# Altium PCB PCBmain.PcbDoc (continued)
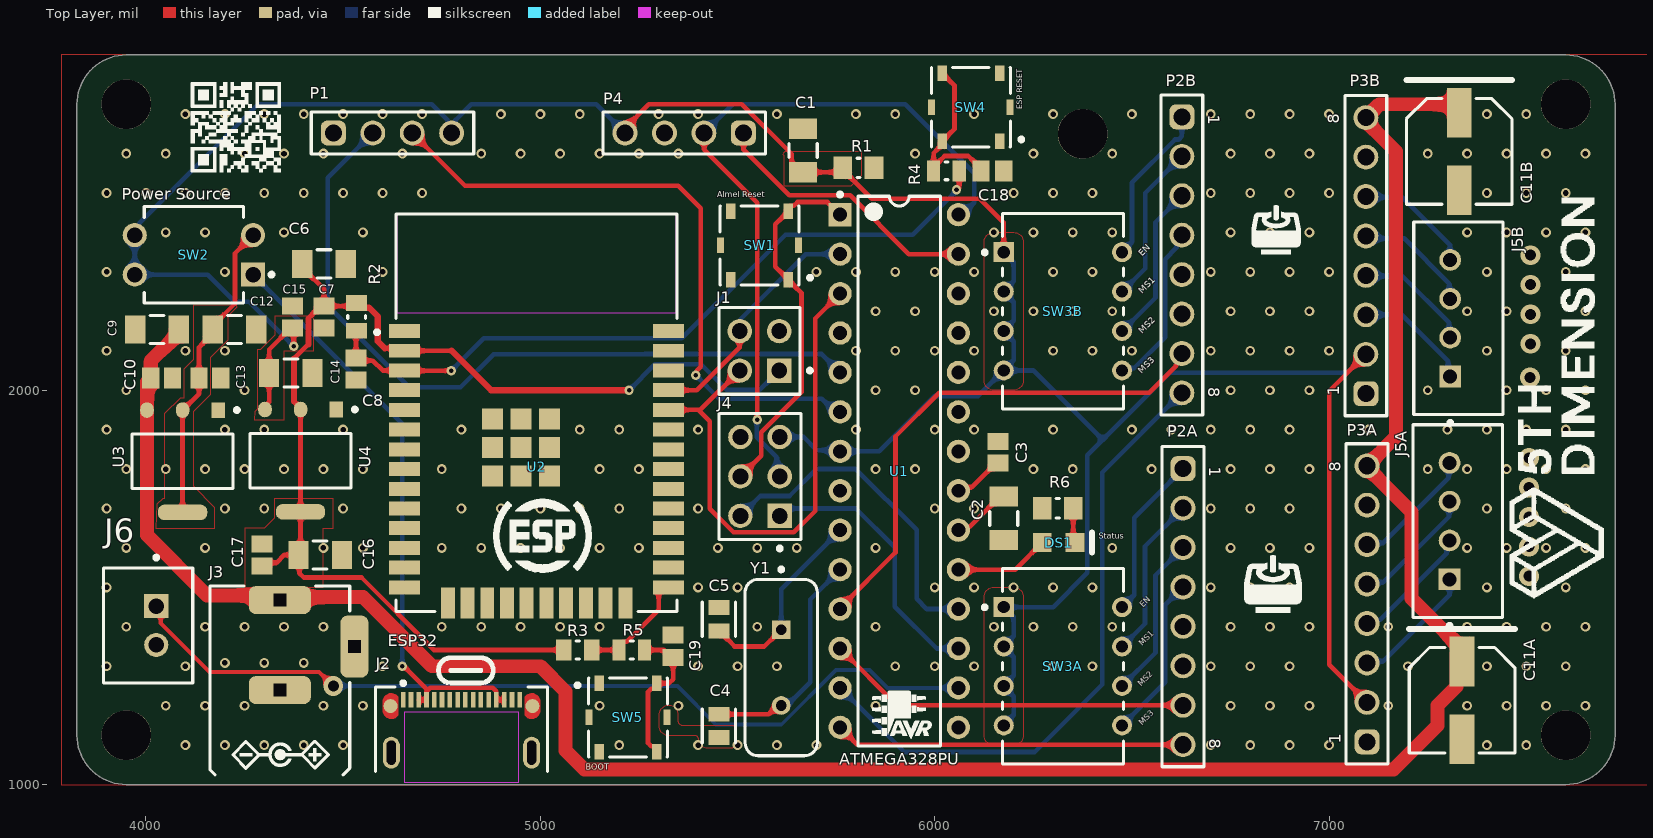
[diagram p0: Top Layer view]
## Part data (continued)
J4: library part CMP-2000-06636-2, "CONN HEADER VERT 6POS 2.54MM", Current Rating=3A, Manufacturer=Harwin, Temperature="-40°C to +105°C", Temperature Range High=+105°C, Temperature Range Low=-40°C, Automotive=No, Category=Conn, ComponentLink2Description=Datasheet, ComponentLink2URL=https://cdn.harwin.com/pdfs/M20-998.pdf, Conn Gender=Male, Conn Orientation=Vertical, Contact Material=Tin,Nickel, Device Class L1=Connectors, Device Class L2="Headers and Wire Housings", Device Class L3=unset, Digikey Description="CONN HEADER VERT 6POS 2.54MM", Height=8.99mm, Lead Free=Yes, Manufacturer Part Number=M20-9980346, Mouser Description="2.54mm (0.1\") Pitch DIL Vertical PC Tail Pin Header, 6.1mm mating pin height, tin, 3+3 contacts", Number Of Contacts=6, Number of Rows=2, Octopart=https://octopart.com/m20-9980346-harwin-5436545, Package=M20-9980346, Pitch=2.54mm, RoHS=TRUE
J5A J5B: library part CMP-17439-000250-1, "CONN HEADER VERT 4POS 2.5MM", Color=Natural, Contact Resistance=20mR, Current Rating=3A, Flammability Rating="UL94 V-0", Housing Color=White, Insulation Resistance=1GR, Max Operating Temperature=85°C, Max Voltage Rating (AC)=250V, Min Operating Temperature=-25°C, Package Quantity=500, Connector Type=Header, Contact Finish - Mating=TIN, Contact Material=Brass, Contact Plating=Tin, Contact Shape=Square, Contact Type="Male Pin", Depth=5.75mm, Fastening Type=Detent, Gender=Male, Housing Material=Polyamide, Insulation Color=Natural, Insulation Material=Nylon, Lead Free="Lead Free", Lead Pitch=2.5mm, Length=12.4mm, Mated Stacking Heights=9.8mm, Material=Polyamide, Max Current Rating=3A, Max Voltage Rating (DC)=250V, Mount="Through Hole", Number Of Contacts=4, Number of Positions=4, Number of Rows=1, Orientation=Straight, Packaging=Bulk, Pitch=2.5mm, REACH SVHC="No SVHC", Series=XH, Termination=Solder, Voltage Rating=250V, Voltage Rating (AC)=250V, Wire/Cable Gauge=22AWG
J6: library part CMP-2000-05888-3, "CONN HEADER VERT 2POS 2.5MM", Color=Natural, Contact Resistance=20mR, Current Rating=3A, Housing Color=White, Insulation Resistance=1GR, Max Operating Temperature=85°C, Max Voltage Rating (AC)=250V, Min Operating Temperature=-25°C, Connector Type="Male Pin", Contact Material=Brass, Contact Plating=Tin, Contact Type="Male Pin", Depth=5.75mm, Fastening Type=Detent, Housing Material=Polyamide, Lead Free="Lead Free", Lead Pitch=2.5mm, Length=7.4mm, Max Current Rating=3A, Max Voltage Rating (DC)=250V, Mount="Through Hole", Number Of Contacts=2, Number of Positions=2, Number of Rows=1, Orientation=Straight, Packaging=Bulk, Pitch=2.5mm, REACH SVHC="No SVHC", Series=XH, Termination=Solder, Voltage Rating=250V, Voltage Rating (AC)=250V, Wire/Cable Gauge=22AWG
P1 P4: library part CMP-1502-01064-2, Color=Black, Contact Resistance=20mΩ, Current Rating=3A, Max Operating Temperature=105°C, Min Operating Temperature=-40°C, Operating Supply Voltage=250V, Connector Type="Male Pin", Contact Material=Copper, Contact Mating Length=5.9944mm, Contact Plating=Gold, Gender=Male, Height=8.89mm, Lead Free="Lead Free", Lead Pitch=2.54mm, Mount="Through Hole", NexarPartId=32855522, Number Of Contacts=4, Number of Pins=4, Number of Positions=4, Number of Rows=1, Orientation=Vertical, Packaging=Bulk, Pitch=2.54mm, REACH SVHC=Unknown, RoHS=Compliant, Termination=Solder, Voltage Rating=250V
P2A P2B P3A P3B: library part CMP-1502-01076-2, Color=Black, Contact Resistance=20mΩ, Current Rating=3A, Max Operating Temperature=105°C, Min Operating Temperature=-40°C, Operating Supply Voltage=250V, Connector Type="Male Pin", Contact Material=Copper, Contact Mating Length=5.9944mm, Contact Plating=Gold, Gender=Male, Height=8.54mm, Lead Pitch=2.54mm, Mount="Through Hole", NexarPartId=32855533, Number Of Contacts=8, Number of Pins=8, Number of Positions=8, Number of Rows=1, Orientation=Vertical, Packaging=Bulk, Pitch=2.54mm, REACH SVHC=Unknown, RoHS=Compliant, Termination=Solder, Voltage Rating=250V
R1 R6: library part CMP-2100-03671-1, "Chip Resistor, 1 KOhm, +/- 1%, 125 mW, -55 to 155 degC, 0805 (2012 Metric), RoHS, Tape and Reel", Case Code (Imperial)=0805, Case Code (Metric)=2012, Manufacturer=Yageo, Max Operating Temperature=155degC, Max Power Dissipation=125mW, Min Operating Temperature=-55degC, Package Description="2-Pin Surface Mounted Device, Body 2 x 1.25 mm", Package Quantity=1, Resistance=1KOhm, Temperature Coefficient=100ppm/degreesC, Tolerance=1%, Voltage Rating=150V, Case/Package=0805, Composition=ThickFilm, Datasheet URL=http://www.yageo.com/NewPortal/yageodocoutput?fileName=/pdf/R-Chip/PYu-RC_Group_51_RoHS_L_5.pdf, Datasheet Version="Rev. 5, 10/2016", Depth=1.25mm, Height=0.024inch, Lead Free=LeadFree, Length=0.079inch, Manufacturer URL=http://www.yageo.com/, Military Standard=Not, Number of Pins=2, Number of Terminations=2, Package Reference=0805, Packaging=TapeandReel, Power Rating=125mW, REACH SVHC=Unknown, RoHSCompliant=true, Termination=SMD/SMT, Voltage Rating (DC)=150V, Width=0.049inch
R2 R3: library part CMP-1659-00013-4, "Chip Resistor, 10 KOhm, +/- 1%, 0.125 W, -55 to 155 degC, 0805 (2012 Metric), RoHS, Tape and Reel", Manufacturer=Yageo, Max Operating Temperature="155 degC", Min Operating Temperature="-55 degC", Package Quantity=5000, Voltage Rating="150 V", ComponentLink1Description="Manufacturer URL", ComponentLink1URL=http://www.yageo.com/, ComponentLink2Description=Datasheet, ComponentLink2URL=http://www.yageo.com/documents/recent/PYu-RC_Group_51_RoHS_L_04.pdf, DatasheetVersion="Rev. 4, 02/2016", Height="0.5 mm", Length="2 mm", Mount="Surface Mount", Mounting Technology="Surface Mount", PackageDescription="2-Pin Surface Mounted Device, Body 2 x 1.25 mm", PackageReference=0805, Packaging="Tape and Reel", Parameter 1=10k, Pins=2, REACH SVHC="No SVHC", RoHSCompliant=true
R4 R5: library part CMP-2001-03932-1, Manufacturer="Vishay Dale", Parameter 1="470 ohm", Part Number=CRCW0805470RFKEA
SW1 SW4 SW5: library part CMP-05618-000006-1, "SWITCH TACTILE SPST-NO 0.02A 15V", Contact Current Rating=20mA, Contact Resistance=50mΩ, Manufacturer="Panasonic Electronic Components", Operating Force=2.6N, Package=0, Temperature="-20°C to +70°C", Temperature Range High=+70°C, Temperature Range Low=-20°C, Voltage Rating Dc=15V, Automotive=No, Category=Switch, ComponentLink2Description=Datasheet, ComponentLink2URL=https://datasheet.ciiva.com/8164/atv0000ce2-8164994.pdf, Device Class L1=Electromechanical, Device Class L2=Switches, Device Class L3="Tactile Switches", Digikey Description="SWITCH TACTILE SPST-NO 0.02A 15V", Electromechanical Life=200000Cycles, Height=1.7mm, Lead Free=Yes, Manufacturer Part Number=EVQ-PLMA15, Mount="Surface Mount", Mouser Description="Tactile Switches FLAT ACT 2.6NF 4.6x3.4x1.5mm", Octopart=https://octopart.com/evq-plma15-panasonic-39850235, RoHS=TRUE, Throw Configuration=SPST-NO
SW2: library part CMP-08827-000029-1, "SWITCH SLIDE DIP SPST 25MA 24V", Case/Package=DIP, Contact Current Rating=25mA, Contact Resistance=200mR, Max Operating Temperature=70°C, Max Voltage Rating (DC)=24V, Min Operating Temperature=-20°C, Package Quantity=76, Actuator Length=0.6mm, Actuator Type="Slide (Standard)", Contact Material=Gold, Contact Plating=Gold, Current Rating=25mA, Electrical Life=1000Cycles, Height=4.2mm, Lead Free="Lead Free", Length=0.237inch, Max Current Rating=25mA, Mechanical Life=1000Cycles, Mount="Through Hole", Number of Circuits=2, Number of Positions=2, Orientation=Straight, Packaging=Rail/Tube, Pitch=0.1inch, Radiation Hardening=No, RoHS Compliant=Yes, Series=A6T, Terminal Pitch=2.54mm, Termination="PC Pins", Throw Configuration=SPST, Voltage Rating (DC)=24V, Washable=No, Weight=0.26g, Width=6.2mm
SW3A SW3B: library part CMP-03400-000022-1, "SWITCH SLIDE DIP SPST 100MA 24V", Contact Current Rating=1A, Contact Resistance=50mR, Flammability Rating="UL94 V-0", Housing Color=Black, Max Current Rating=100mA, Max Operating Temperature=85°C, Max Voltage Rating (DC)=24V, Min Operating Temperature=-30°C, Package Quantity=35, Voltage Rating (DC)=5V, Actuator Length=0.99mm, Actuator Material=Polybutylene, Actuator Type=Standard, Contact Material="Copper Alloy", Contact Plating=Gold, Contact Post Length=4mm, Depth=7.49mm, Electrical Life=1000Cycles, ELV=Compliant, Height=0.138inch, Housing Material=Polyphenylene, Lead Free="Lead Free", Length=0.476inch, Mount="Through Hole", Number of Circuits=4, Number of Positions=4, Orientation=Straight, Packaging=Rail/Tube, Pitch=0.1inch, Radiation Hardening=No, RoHS Compliant=Yes, Sealable="No (Without)", Series=ADE, Terminal Pitch=2.54mm, Termination="PC Pins", Throw Configuration=SPST, Type=Switch, Washable=Yes
U1: library part CMP-0095-00013-2, "8-bit AVR Microcontroller, 32KB Flash, 1KB EEPROM, 2KB SRAM, 28-pin PDIP, Industrial Grade (-40°C to 85°C)", ComponentLink1Description="Manufacturer URL", ComponentLink1URL=http://www.atmel.com/, ComponentLink2Description="ATmega48A/48PA/88A/88PA/168A/168PA/328/328P Datasheet", ComponentLink2URL=http://www.atmel.com/dyn/resources/prod_documents/8271.pdf, ComponentLink3Description="ATmega48A/48PA/88A/88PA/168A/168PA/328/328P Summary", ComponentLink3URL=http://www.atmel.com/dyn/resources/prod_documents/8271S.pdf, DatasheetVersion="revD, May-2011", PackageDescription="28-lead (0.300\"/7.62mm Wide) Plastic Dual Inline Package (PDIP)", PackageReference=28P3, PackageVersion="revB, Sep-2001", RevisionNote="DatasheetVersion updated. URLs added."
U2: library part CMP-194065-000003-1, "WIFI MODULE 32MBITS SPI FLASH", Manufacturer="Espressif Systems", Max Frequency=2484MHz, Max Supply Voltage=3.6V, Min Supply Voltage=3V, Nominal Supply Current=500mA, Temperature="-40°C to +85°C", Temperature Range High=+85°C, Temperature Range Low=-40°C, Automotive=No, Bandwidth=72MHz, Category=UNK, ComponentLink2Description=Datasheet, ComponentLink2URL=https://www.espressif.com/sites/default/files/documentation/esp32-wroom-32d_esp32-wroom-32u_datasheet_en.pdf, Data Rate=150Mbits/s, Device Class L1="Integrated Circuits (ICs)", Device Class L2="RF Semiconductors and Devices", Device Class L3=Transceivers, Digikey Description="WIFI MODULE 32MBITS SPI FLASH", Height=3.2mm, Interface=I2C,SPI,UART,Ethernet,I2S,Other, Lead Free=Yes, Manufacturer Part Number=ESP32-WROOM-32D, Mouser Description="Wi-Fi/BT BLE Module ESP32-D0WD, SPI Flash, UART, P", Number Of Adc Channels=16, Number Of Gpio=32, Octopart=https://octopart.com/esp32-wroom-32d-espressif+systems-91040050, Package=ESP32-WROOM-32D, RoHS=TRUE, Sensitivity=-98dBm
U3: library part CMP-209535-000001-1, "LDO Voltage Regulators 1A, 3.3V", Dropout Voltage=1.1V, Manufacturer="Advanced Monolithic Systems", Manufacturer Part Number=AMS1117-3.3, Max Junction Temp=+125°C, Max Power Dissipation=1.2W, Max Supply Voltage=15V, Nominal Supply Current=5mA, Output Current=1A, Output Voltage=3.3V, Package=AMS1117, Temperature="-40°C to +125°C", Temperature Range Low=-40°C, Automotive=No, Category=IC, ComponentLink2Description=Datasheet, ComponentLink2URL=http://www.advanced-monolithic.com/pdf/ds1117.pdf, Device Class L1="Integrated Circuits (ICs)", Device Class L2="Power Management ICs", Device Class L3="Voltage Regulators - Linear", Height=1.8mm, Ipc Land Pattern Name=SOT229P700X180-4, Lead Free=Yes, Number Of Outputs=1, Octopart=https://octopart.com/ams1117-3.3-advanced+monolithic+systems-25899300, Output Type=Fixed, RoHS=TRUE, Standoff Height=0.64mm, Temperature Range High=+125°C
U4: library part CMP-209535-000001-1, "LDO Voltage Regulators 1A, 3.3V", Dropout Voltage=1.1V, Manufacturer="Advanced Monolithic Systems", Max Junction Temp=+125°C, Max Power Dissipation=1.2W, Max Supply Voltage=15V, Nominal Supply Current=5mA, Output Current=1A, Output Voltage=3.3V, Package=AMS1117, Temperature="-40°C to +125°C", Temperature Range Low=-40°C, Automotive=No, Category=IC, ComponentLink2Description=Datasheet, ComponentLink2URL=http://www.advanced-monolithic.com/pdf/ds1117.pdf, Device Class L1="Integrated Circuits (ICs)", Device Class L2="Power Management ICs", Device Class L3="Voltage Regulators - Linear", Height=1.8mm, Ipc Land Pattern Name=SOT229P700X180-4, Lead Free=Yes, Manufacturer Part Number=AMS1117-3.3, Number Of Outputs=1, Octopart=https://octopart.com/ams1117-3.3-advanced+monolithic+systems-25899300, Output Type=Fixed, RoHS=TRUE, Standoff Height=0.64mm, Temperature Range High=+125°C
Y1: library part CMP-1749-00003-1, "Resistance Weld Thru-Hole Crystal, 16 MHz, -20 to 70 degC, 2-Pin THD, RoHS, Bulk", Case\Package=Axial, Max Operating Temperature="155 degC", Min Operating Temperature="-55 degC", Package Quantity=200, Power Rating="250 mW", Resistance="221 kohm", Tolerance=1%, Voltage Rating="250 V", ComponentLink1Description="Manufacturer URL", ComponentLink1URL=http://www.foxonline.com/, ComponentLink2Description=Datasheet, ComponentLink2URL=http://www.foxonline.com/pdfs/hc49slf.pdf, DatasheetVersion=Mar-15, Length="0.248 inch", Mount="Through Hole", PackageDescription="2-Pin Through Hole Device, Body 11.35 x 4.65 mm", PackageReference=FOXSLF160-20, Packaging=Bulk, RoHSCompliant=true

## Free pads (board coordinates)
  round 125.98 hole 125.98 mask+39.37: 1(3950,2725) 2(3950,1125) 3(6375,2650) 5(7600,2725) 6(7600,1125)

## Via types
v1: diameter 25, hole 14, Top Layer to Bottom Layer, tented both sides, 310 vias
v2: diameter 50, hole 28, Top Layer to Bottom Layer, tented both sides, 10 vias
v3: diameter 23.62, hole 11.81, Top Layer to Bottom Layer, tented both sides, 7 vias
v4: diameter 50, hole 28, Top Layer to Bottom Layer, 1 vias

## Nets (pads, with @x,y where several pads share a name; then routed paths per layer and width w, separated by ;. In a path a pad name is that pad's centre, name@x,y a point inside that pad or via, vN(x,y) a via of type N, cw(c..) or ccw(c..) an arc to the next point about the centre after c; other vN are vias at no path point)
3V3: C6.1 C7.2 C16.1 C17.2 J1.1 R2.2 R3.1 U2.2 U4.2 U4.4 | length 3081.9
  Top Layer w11.81: C17.2 4301.47,1562.43 4331.1,1562.43 4350.92,1582.24 C16.1 ; 4375,1971.79 4391.91,1954.88 U4.4 4391.91,1587.71 C16.1 ; 4375,2079.89 4411.82,2116.7 ; C6.1 4396.33,2310.54 4451.48,2255.39 C7.2 ; 4411.82,2182.07 4427.2,2197.45 4435.73,2197.45 C7.2 ; R2.2@4548.09,2226.91 4540.22,2226.91 4526.51,2213.2 C7.2 ; 4605.54,2106.25 4649.46,2106.25 U2.2 4775,2100 ; R3.1 4730.22,1341.29 4546.51,1525 4400,1525 4389.11,1535.89 4389.11,1579.58 C16.1
  Top Layer w15.75: 4375,1971.79 4375,2079.89 ; 4411.82,2116.7 4411.82,2182.07 ; R2.2@4548.09,2226.91 4548.09,2214.25 4553.08,2209.26 4565.74,2209.26 4587.94,2187.06 4587.94,2123.85 4605.54,2106.25 ; 4775,2100 4875,2000 v3(5225,2000)
  Bottom Layer w11.81: v3(5225,2000) 5290.54,2065.54 5407.31,2065.54 5472.18,2000.67 5556.63,2000.67 J1.1
+5: C1.1 C14.1 C15.2 J4.5 P1.4 P3A.2 P3B.2 P4.4 R1.2 SW2.3 SW2.4 SW3A.1 SW3A.2 SW3A.3 SW3A.4 SW3B.1 SW3B.2 SW3B.3 SW3B.4 U1.7 U4.3 | length 7629.5
  Top Layer w11.81: U4.3 4301.75,1959.7 4312.17,1970.12 C14.1 4312.17,2103.18 4367.07,2158.08 C15.2 4374.55,2155.52 v3(4374.55,2111.56) ; P4.4 5214.67,2664.67 5275,2725 5510.96,2725 5636.82,2599.14 5636.82,2572.55 5656.6,2552.77 C1.1 5756.46,2552.77 R1.2 5767.19,2558.59 5840.34,2485.43 6114.57,2485.43 6175,2425 SW3B.1 ; P3B.2 7000,1997.85 7000,1304.33 P3A.2
  Bottom Layer w11.81: v3(4374.55,2111.56) 4261.51,2224.59 4225.41,2224.59 4156.89,2293.11 SW2.4 3971.49,2411.18 3984.14,2423.83 3984.14,2425.04 4284.1,2725 4725,2725 4765.31,2684.69 4765.31,2661.89 P1.4 4784.9,2661.89 4784.9,2684.9 4825,2725 5141.77,2725 P4.4 ; J4.5 5667.7,1881.25 5701.27,1847.69 5757.31,1847.69 U1.7 5859.48,1845 5999.91,1985.43 6110.43,1985.43 SW3B.4 ; SW3A.4 6175,1151.18 6200,1176.18 6200,1223.82 SW3A.3@6175,1248.82 ; SW3A.3 6175,1251.18 6200,1276.18 6200,1323.82 SW3A.2@6175,1348.82 ; SW3A.2 6175,1351.18 6200,1376.18 6200,1425 SW3A.1 6300,1450 6387.04,1537.04 6387.04,1835.01 6426.02,1873.98 ; SW3B.3 6175,2148.82 6200,2123.82 6200,2076.18 6175,2051.18 SW3B.4 ; SW3B.3@6175,2151.18 6200,2176.18 6200,2223.82 SW3B.2@6175,2248.82 ; SW3B.2 6175,2251.18 6200,2276.18 6200,2325 SW3B.1 ; P3B.2 7046.43,2044.28 6596.31,2044.28 6426.02,1873.98 ; SW3B.4 6250,2050 6426.02,1873.98
+12: C9.1 C10.2 C11A.1 C11B.1 J3.1 P3A.8 P3B.8 U3.3 | length 6203
  Top Layer w35.43: C9.1 4082.86,2143.85 4038.65,2099.65 4036.59,2099.65 4012.16,2075.21 C10.2 4002.57,2021.33 4002.57,1632.35 4155.19,1479.73 4327.69,1479.73 J3.1 4346.58,1475 4550,1475 4725,1300 5000,1300 5063.45,1236.55 5063.45,1086.55 5111.93,1038.07 7163.07,1038.07 7275,1150 7275,1200 7323.35,1248.35 7323.35,1329.64 7337.13,1343.42 7208.65,1471.9 7208.65,1691.35 7095.98,1804.02 P3A.8 7169.8,1882.18 7169.8,2605.2 7093.23,2681.77 P3B.8 7127.15,2725 7308.55,2725 C11B.1
BOOT: R3.2 R5.2 U2.25 | length 292.7
  Top Layer w11.81: R3.2 R5.2 5199.42,1351.13 5210.25,1361.96 5218.66,1361.96 5300,1443.3 5300,1488.19 5311.81,1500 U2.25
BUZZER: J6.1 U1.16 | length 2253.4
  Top Layer w10: J6.1 4037.26,1441.22 4037.26,1409.67 4160.97,1285.97 4439.03,1285.97 v4(4475,1250)
  Bottom Layer w10: v4(4475,1250) 5347.41,1250 5445.67,1151.74 5610.84,1151.74 5749.74,1290.64 5834.36,1290.64 5880,1245 U1.16
EN: C8.2 R2.1 R4.2 U2.3 | length 1848.5
  Top Layer w11.81: R2.1 4532.46,2148.28 C8.2 4538.58,2075 4575,2075 4600,2050 U2.3 4656.29,2049.41 v3(4774.41,2049.41) ; v3(6055.23,2508.15) 6055.23,2508.43 6062.16,2515.36 R4.2
  Bottom Layer w11.81: v3(4774.41,2049.41) 4856.38,2131.38 5358.51,2131.38 5621.65,2394.52 5944.52,2394.52 6055.23,2505.23 v3(6055.23,2508.15)
GND: C1.2 C2.2 C3.1 C4.2 C5.2 C6.2 C7.1 C8.1 C9.2 C10.1 C11A.2 C11B.2 C12.2 C13.1 C14.2 C15.1 C16.2 C17.1 C18.1 C19.1 J1.3 J2.A1 J2.A12 J2.B1 J2.B12 J3.2 J3.3 J4.6 J6.2 P1.1 P3A.1 P3A.7 P3B.1 P3B.7 P4.3 pad.1 pad.2 pad.3 pad.5 pad.6 R6.1 SW1.1 SW1.2 SW1.B SW1.B' SW4.1 SW4.2 SW4.A SW4.A' SW5.1 SW5.2 SW5.A SW5.A' U1.8 U1.22 U2.1 U2.15 U2.38 U2.39 U3.1 U4.1
  other v1: 4100,1100 4200,1100 4300,1100 4400,1100 4500,1100 5200,1100 5400,1100 5500,1100 5600,1100 5700,1100 6700,1100 6800,1100 6900,1100 7000,1100 7400,1100 7500,1100 4050,1200 4150,1200 4250,1200 4450,1200 4550,1200 5150,1200 5350,1200 5850,1200 6750,1200 6850,1200 6950,1200 7150,1200 7350,1200 7450,1200 7550,1200 7650,1200 3900,1300 4100,1300 4600,1300 5400,1300 5500,1300 5600,1300 5900,1300 6000,1300 6100,1300 6300,1300 6400,1300 6700,1300 6800,1300 6900,1300 7200,1300 7400,1300 7500,1300 7600,1300 4200,1308.47 4300,1308.47 4400,1308.47 3950,1400 4150,1400 4250,1400 4350,1400 4450,1400 4750,1400 4850,1400 4950,1400 5050,1400 5150,1400 5550,1400 5850,1400 6150,1400 6250,1400 6350,1400 6450,1400 6750,1400 6850,1400 6950,1400 7150,1400 7350,1400 7450,1400 7550,1400 7650,1400 3900,1500 5400,1500 5500,1500 6000,1500 6100,1500 6200,1500 6300,1500 6400,1500 6700,1500 6800,1500 6900,1500 7400,1500 7600,1500 3950,1600 4150,1600 4450,1600 4550,1600 4750,1600 4850,1600 4950,1600 5050,1600 5150,1600 5250,1600 5450,1600 5550,1600 5650,1600 5850,1600 6450,1600 6750,1600 6850,1600 6950,1600 7350,1600 7450,1600 7550,1600 7650,1600 3900,1700 4200,1700 4300,1700 4500,1700 4800,1700 4900,1700 5000,1700 5100,1700 5200,1700 5400,1700 6000,1700 6100,1700 6700,1700 6800,1700 6900,1700 7400,1700 7600,1700 3950,1800 4050,1800 4150,1800 4250,1800 4350,1800 4450,1800 4550,1800 4750,1800 5150,1800 5250,1800 5850,1800 5950,1800 6250,1800 6350,1800 6550,1800 6750,1800 6850,1800 6950,1800 7250,1800 7350,1800 7450,1800 7550,1800 7650,1800 3900,1900 4200,1900 4300,1900 4500,1900 4800,1900 5100,1900 5200,1900 5400,1900 5800,1900 6000,1900 6100,1900 6300,1900 6500,1900 6600,1900 6700,1900 6800,1900 6900,1900 7100,1900 7300,1900 7400,1900 7500,1900 7600,1900 3950,2000 4250,2000 5850,2000 5950,2000 6750,2000 6850,2000 6950,2000 7250,2000 7450,2000 7550,2000 7650,2000 3900,2100 4100,2100 4200,2100 5800,2100 5900,2100 6000,2100 6100,2100 6300,2100 6400,2100 6500,2100 6700,2100 6800,2100 6900,2100 7000,2100 7400,2100 7600,2100 5850,2200 5950,2200 6150,2200 6250,2200 6350,2200 6450,2200 6750,2200 6850,2200 6950,2200 7350,2200 7450,2200 7650,2200 3900,2300 4200,2300 4600,2300 5700,2300 5800,2300 5900,2300 6000,2300 6100,2300 6300,2300 6400,2300 6700,2300 6800,2300 6900,2300 7000,2300 7400,2300 7600,2300 4050,2400 4150,2400 4350,2400 4550,2400 6150,2400 6250,2400 6350,2400 6450,2400 6750,2400 6850,2400 6950,2400 7350,2400 7450,2400 7550,2400 7650,2400 3900,2500 4000,2500 4100,2500 4200,2500 4300,2500 4400,2500 4500,2500 4600,2500 4700,2500 6200,2500 6300,2500 6400,2500 6700,2500 6800,2500 6900,2500 7000,2500 7400,2500 7500,2500 7600,2500 3950,2600 4050,2600 4250,2600 4350,2600 4450,2600 4650,2600 4850,2600 4950,2600 5050,2600 5150,2600 5250,2600 5350,2600 5950,2600 6250,2600 6450,2600 6750,2600 6850,2600 6950,2600 7250,2600 7350,2600 7450,2600 7550,2600 7650,2600 4100,2700 4200,2700 4300,2700 4400,2700 4500,2700 4600,2700 4700,2700 4900,2700 5000,2700 5100,2700 5300,2700 5400,2700 5600,2700 5800,2700 5900,2700 6100,2700 6300,2700 6500,2700 6700,2700 6800,2700 6900,2700 7000,2700 7400,2700 7500,2700
  other v2: 7506.73,1528.31 7506.73,1603.31 7506.73,1678.31 7506.73,1753.31 7506.73,1828.31 7509.49,2032.25 7510.9,2117.41 7510.9,2192.41 7510.9,2267.41 7510.9,2342.41
MISO: J4.2 U1.18 | length 851.7
  Bottom Layer w11.81: J4.2 5557.59,1731.75 5631.75,1731.75 5700,1800 5800,1800 5954.19,1645.81 5954.19,1470.81 5980,1445 U1.18
MOSI: J4.1 U1.17 | length 695.6
  Bottom Layer w11.81: J4.1 5625.84,1700 5800,1700 5898.78,1601.22 5898.78,1451.22 6005,1345 U1.17
NetC2_1: C2.1 U1.20 | length 150.3
  Top Layer w11.81: U1.20 6069.04,1654.04 6089.02,1654.04 6165.13,1730.15 C2.1
NetC3_2: C3.2 U1.21 | length 129.2
  Top Layer w11.81: U1.21 6069.04,1754.04 6093.97,1754.04 6155.19,1815.27 C3.2
NetC4_1: C4.1 U1.10 Y1.2 | length 582.1
  Top Layer w11.81: C4.1 5578.86,1178.22 5601.15,1200.51 Y1.2
  Bottom Layer w11.81: Y1.2 5617.52,1207.29 5632.29,1207.29 5684.24,1259.24 5684.24,1469.24 U1.10
NetC5_1: C5.1 U1.9 Y1.1 | length 506.2
  Top Layer w11.81: C5.1 5492.46,1350 5568.1,1350 Y1.1
  Bottom Layer w11.81: Y1.1 5610.74,1495.74 U1.9
NetC18_2: C18.2 R4.1 SW4.B SW4.B' | length 433.1
  Top Layer w11.81: R4.1 R4.1@5997.2,2566.1 ; SW4.B' 6050,2772.95 6050,2662.01 SW4.B 6018.86,2622.99 5997.2,2601.33 R4.1@5997.2,2566.1 ; C18.2 6117.84,2561.18 6085.28,2593.74 6024.84,2593.74 R4.1@5997.2,2566.1
NetC19_2: C19.2 R5.1 SW5.B SW5.B' | length 376.8
  Top Layer w11.81: R5.1 5312.72,1341.29 C19.2@5331.68,1322.33 ; SW5.B' 5295.03,1091.37 5289.13,1097.28 5281.25,1097.28 5273.11,1105.42 5273.11,1234.81 5281.25,1242.95 5289.13,1242.95 5295.03,1248.85 SW5.B 5326.14,1256.73 5336.6,1267.19 C19.2
NetDS1_1: DS1.1 U1.19 | length 241.4
  Top Layer w11.81: U1.19 6204.2,1545 DS1.1
NetDS1_2: DS1.2 R6.2 | length 88.7
  Top Layer w11.81: R6.2 6351.16,1618.21 DS1.2
NetJ5A_1: J5A.1 P3A.3 | length 320.6
  Bottom Layer w11.81: P3A.3 7100.47,1312.84 7137.46,1312.84 7305.47,1480.85 J5A.1
NetJ5A_2: J5A.2 P3A.4 | length 311.2
  Bottom Layer w11.81: P3A.4 7105.77,1418.15 7130.02,1418.15 7297.94,1586.06 7297.94,1610.32 J5A.2@7306.01,1618.4
NetJ5A_3: J5A.3 P3A.5 | length 317.7
  Bottom Layer w11.81: P3A.5 7100.28,1512.65 7137.65,1512.65 7304,1679 7304,1715.9 J5A.3
NetJ5A_4: J5A.4 P3A.6 | length 316.1
  Bottom Layer w11.81: P3A.6 7100.28,1612.65 7137.65,1612.65 7302.92,1777.92 7302.92,1813.24 J5A.4
NetJ5B_1: J5B.1 P3B.3 | length 297.8
  Bottom Layer w11.81: P3B.3 7183.91,2191.09 7301.71,2073.29 7301.71,2040.29 J5B.1
NetJ5B_2: J5B.2 P3B.4 | length 299.4
  Bottom Layer w11.81: P3B.4 7094.85,2289.47 7185.53,2289.47 7304.15,2170.85 7304.15,2136.27 J5B.2
NetJ5B_3: J5B.3 P3B.5 | length 301
  Bottom Layer w11.81: P3B.5 7099.64,2384.68 7190.32,2384.68 7304.94,2270.06 7304.94,2233.91 J5B.3
NetJ5B_4: J5B.4 P3B.6 | length 302.6
  Bottom Layer w11.81: P3B.6 7094.85,2489.47 7185.53,2489.47 7306.43,2368.57 7306.43,2330.84 J5B.4
NetP1_2: P1.2 U1.5 | length 1924
  Bottom Layer w11.81: P1.2 4461.23,2538.22 4461.23,2213.77 4667.77,2007.23 4797.45,2007.23 4881.36,2091.14 5264.84,2091.14 5265.26,2091.56 5713.44,2091.56 U1.5
NetP1_3: P1.3 U1.6 | length 1643.8
  Top Layer w11.81: P1.3 4808.93,2518.27 5349.34,2518.27 5406.66,2460.96 5406.66,2059.85 5396.16,2049.36 5396.16,2039.9 v3(5393.9,2037.64)
  Bottom Layer w11.81: v3(5393.9,2037.64) 5452.98,1978.56 5713.68,1978.56 5747.24,1945 U1.6
NetP2A_1: P2A.1 SW3A.8 | length 415
  Bottom Layer w11.81: SW3A.8 6505.58,1480.58 6505.58,1676.93 P2A.1
NetP2A_2: P2A.2 SW3A.7 | length 415
  Bottom Layer w11.81: SW3A.7 6533.22,1408.22 6533.22,1604.57 P2A.2
NetP2A_3: P2A.3 SW3A.6 | length 415
  Bottom Layer w11.81: SW3A.6 6559.72,1334.72 6559.72,1531.07 P2A.3
NetP2A_4: P2A.4 SW3A.5 | length 415
  Bottom Layer w11.81: SW3A.5 6584.77,1259.77 6584.77,1456.12 P2A.4
NetP2A_5: P2A.5 P2A.6
NetP2A_7: P2A.7 U1.12 | length 929.3
  Top Layer w11.81: U1.12 5904.02,1200.98 P2A.7
NetP2A_8: P2A.8 U1.14 | length 887.9
  Top Layer w11.81: U1.14 5804.02,1100.98 P2A.8
NetP2B_1: P2B.1 SW3B.8 | length 411.3
  Bottom Layer w11.81: SW3B.8 6475,2351.18 6500,2376.18 6500,2526.3 6609.17,2635.47 6618.35,2635.47 6626.73,2643.85 P2B.1
NetP2B_2: P2B.2 SW3B.7 | length 405.9
  Bottom Layer w11.81: SW3B.7 6533.57,2308.57 6533.57,2499.91 P2B.2
NetP2B_3: P2B.3 SW3B.6 | length 405.9
  Bottom Layer w11.81: SW3B.6 6559.74,2234.74 6559.74,2426.07 P2B.3
NetP2B_4: P2B.4 SW3B.5 | length 420.6
  Bottom Layer w11.81: SW3B.5 6481.17,2056.17 6506.17,2056.17 6584.33,2134.33 6584.33,2332.31 6612.92,2360.9 6612.92,2365.4 6626.73,2379.21 P2B.4
NetP2B_5: P2B.5 P2B.6
NetP2B_7: P2B.7 U1.11 | length 1318.8
  Top Layer w11.81: U1.11 5760,1447.97 5900.54,1588.51 5900.54,1882.6 6011.83,1993.89 6543.89,1993.89 6611.91,2061.91 6611.91,2064.39 6626.73,2079.21 P2B.7
NetP2B_8: P2B.8 U1.13 | length 1626
  Bottom Layer w11.81: U1.13 5922.37,1082.63 6253.87,1082.63 6425,1253.76 6425,1791.33 P2B.8
NetP4_1: P4.1 U1.27 | length 697
  Top Layer w11.81: P4.1 5515.2,2651.57 5515.2,2609.8 5631.14,2493.86 5785.62,2493.86 5934.48,2345 U1.27
REG_5V: C12.1 C13.2 SW2.2 U3.2 U3.4 | length 777
  Top Layer w11.81: U3.4 U3.2 4134.55,1991.41 C13.2 4134.55,2108.89 4169.51,2143.85 C12.1 4169.51,2163.6 4225.68,2219.77 4225.68,2347.3 SW2.2
Reset: J4.4 R1.1 SW1.A SW1.A' U1.1 | length 936.8
  Top Layer w11.81: J4.4 5560.06,1834.22 5560.06,1893.35 5662.01,1995.3 5662.01,2246.85 SW1.A 5595.49,2313.37 5595.49,2420.48 SW1.A' 5628.54,2461.41 5634.45,2467.32 5642.32,2467.32 5652.05,2477.05 5727.95,2477.05 U1.1
RX_channel: J1.4 U1.2 U2.35 | length 618.6
  Top Layer w11.81: U2.35 5396.83,2000 5504.88,2108.05 5504.88,2148.92 J1.4
  Bottom Layer w11.81: J1.4 5508.8,2152.84 5508.8,2181.38 5672.42,2345 U1.2
RX_ESP: J1.2 U1.3 U2.34 | length 1376.7
  Top Layer w11.81: U2.34 5350,1950 5400,1950 ; J1.2 5405.96,1950 5400,1950 ; U1.3 5696.73,2181.73 5696.73,1693.66 5642.51,1639.44 5489.77,1639.44 5429.33,1699.88 5429.33,1920.67 5400,1950
SCL: J4.3 P4.2 U1.28 | length 1866.9
  Top Layer w11.81: P4.2 5415.2,2651.57 5415.2,2609.8 5550,2475 v3(5550,1925)
  Bottom Layer w11.81: P4.2 5487.58,2725 5925,2725 6100,2550 6100,2475 6070,2445 U1.28 ; v3(5550,1925) 5548.9,1923.9 5548.9,1880.31 5599.33,1829.87 5599.33,1789 J4.3
USBC_5V: J2.A4 J2.A9 J2.B4 J2.B9 SW2.1 | length 1506.6
  Top Layer w11.81: v3(4650,1300) 4653.2,1300 4659.1,1294.09 4659.97,1294.09 4714.7,1239.37 ; J2.A4 J2.B9 4711.42,1236.09 4720.68,1245.35 4879.32,1245.35 4888.58,1236.09 J2.B4 J2.A9
  Bottom Layer w11.81: SW2.1 4650,1914.6 v3(4650,1300)
pads on no net: J2.1 J2.2 J2.3 J2.4 J2.A5 J2.A6 J2.A7 J2.A8 J2.B5 J2.B6 J2.B7 J2.B8 U1.4 U1.15 U1.23 U1.24 U1.25 U1.26 U2.4 U2.5 U2.6 U2.7 U2.8 U2.9 U2.10 U2.11 U2.12 U2.13 U2.14 U2.16 U2.17 U2.18 U2.19 U2.20 U2.21 U2.22 U2.23 U2.24 U2.26 U2.27 U2.28 U2.29 U2.30 U2.31 U2.32 U2.33 U2.36 U2.37

## Polygon pours and split planes (outlines as drawn)
GND on Top Layer "NONET_L01_P000" (solid, remove dead copper, shelved, pour order 0): 3785,1000 8925,1000 8925,2850 3785,2850
+5 on Top Layer "NONET_L01_P003" (solid, shelved, pour order 3): 6150,1500 6200,1500 cw(c6200,1475) 6225,1475 6225,1125 cw(c6200,1125) 6200,1100 6150,1100 cw(c6150,1125) 6125,1125 6125,1475 cw(c6150,1475)
+5 on Top Layer "NONET_L01_P010" (solid, shelved, pour order 10): 5614.22,2598.68 5617.54,2595.36 5617.54,2518.34 5787.8,2518.34 5815.07,2545.61 5815.07,2604.94 5620.12,2604.94 5615.7,2600.52
REG_5V on Top Layer "NONET_L01_P009" (solid, shelved, pour order 9): 4025,1650 4175,1650 4175,1702.07 4120.89,1756.18 4120.89,1946.31 4164.1,1989.53 4164.1,2083.36 4209.16,2128.42 4209.16,2188.92 4231.39,2211.14 4227.07,2215.47 4119.65,2215.47 4119.65,2076.57 4096.19,2053.11 4096.19,1979.65 4086.32,1979.65 4046.81,1940.14 4046.81,1725.31 4042.49,1725.31 4027.67,1710.5
+5 on Top Layer "NONET_L01_P008" (solid, shelved, pour order 8): 4275,1925 4350,1925 4350,2100 4425,2100 4425,2181.28 4418.02,2188.26 4417.01,2187.25 4327.09,2187.25 4327.09,2139.21 4290.31,2102.42 4281.68,2102.42 4281.68,1951.16 4275.3,1944.78
3V3 on Top Layer "NONET_L01_P007" (solid, shelved, pour order 7): 4250,1650 4250,1500 4450,1500 4450,1650 4475,1650 4475,1725 4325,1725 4325,1675 4300,1650
GND on Top Layer "NONET_L01_P006" (solid, shelved, pour order 6): 5300,1175 5300,1150 ccw(c5325,1150) 5325,1125 5390.89,1125 cw(c5390.89,1115.89) 5400,1115.89 ccw(c5422.31,1115.89) 5422.31,1093.58 5486.29,1093.58 ccw(c5486.29,1102.44) 5495.14,1102.44 5495.14,1141.31 ccw(c5487.76,1141.31) 5487.76,1148.69 5362.93,1148.69 cw(c5362.93,1161.62) 5350,1161.62 5350,1178.01 ccw(c5328.22,1178.01) 5328.22,1199.79 ccw(c5325,1175)
+5 on Top Layer "NONET_L01_P004" (solid, shelved, pour order 4): 6150,2400 6200,2400 cw(c6200,2375.05) 6224.95,2375.05 6224.95,2024.95 cw(c6200,2024.95) 6200,2000 6150,2000 cw(c6150,2025.05) 6124.95,2025.05 6124.95,2374.95 cw(c6150,2374.95)
GND on Bottom Layer "NONET_L02_P001" (solid, remove dead copper, shelved, pour order 1): 3785,1000 8925,1000 8925,2850 3785,2850

## Silkscreen, mask and mechanical layers (free items; w line width, h text height)
Top Overlay:
  drawing of 96 lines, arcs and shapes, not listed
  text "ESP RESET" at 6226.95,2712.64 h23.43 r90
  text "Almel Reset" at 5448.81,2488.59 h15
  text "Power Source" at 3938.28,2482.48 h30
  text "EN" at 6526.07,2338.13 h16.89 r45
  text "MS1" at 6526.64,2243.57 h16.89 r45
  text "MS2" at 6526.07,2142.13 h16.89 r45
  text "MS3" at 6524.35,2040.68 h16.89 r45
  text "Status" at 6415.75,1623.51 h15
  text "EN" at 6528.57,1448.03 h15 r45
  text "ESP32" at 4613.03,1350.65 h30
  text "MS1" at 6526.19,1350.92 h15 r45
  text "MS2" at 6523.8,1248.44 h15 r45
  text "MS3" at 6525.59,1148.94 h15 r45
  text "ATMEGA328PU" at 5757.81,1050.24 h30
  text "BOOT" at 5114.59,1036.95 h15
Bottom Overlay:
  drawing of 99 lines, arcs and shapes, not listed

## Text inside footprints (layer, text, board x,y; h text height)
P2A: Top Overlay "1" at 6696.56,1805.71 h30 r270; Top Overlay "8" at 6696.56,1115.94 h30 r270
P2B: Top Overlay "8" at 6693.66,2008.02 h30 r270; Top Overlay "1" at 6693.66,2697.79 h30 r270
P3A: Top Overlay "1" at 7029.05,1103.63 h30 r90; Top Overlay "8" at 7029.05,1793.39 h30 r90
P3B: Top Overlay "1" at 7026.3,1986.36 h30 r90; Top Overlay "8" at 7026.3,2676.13 h30 r90